# KiCad board DAB.kicad_pcb (continued)
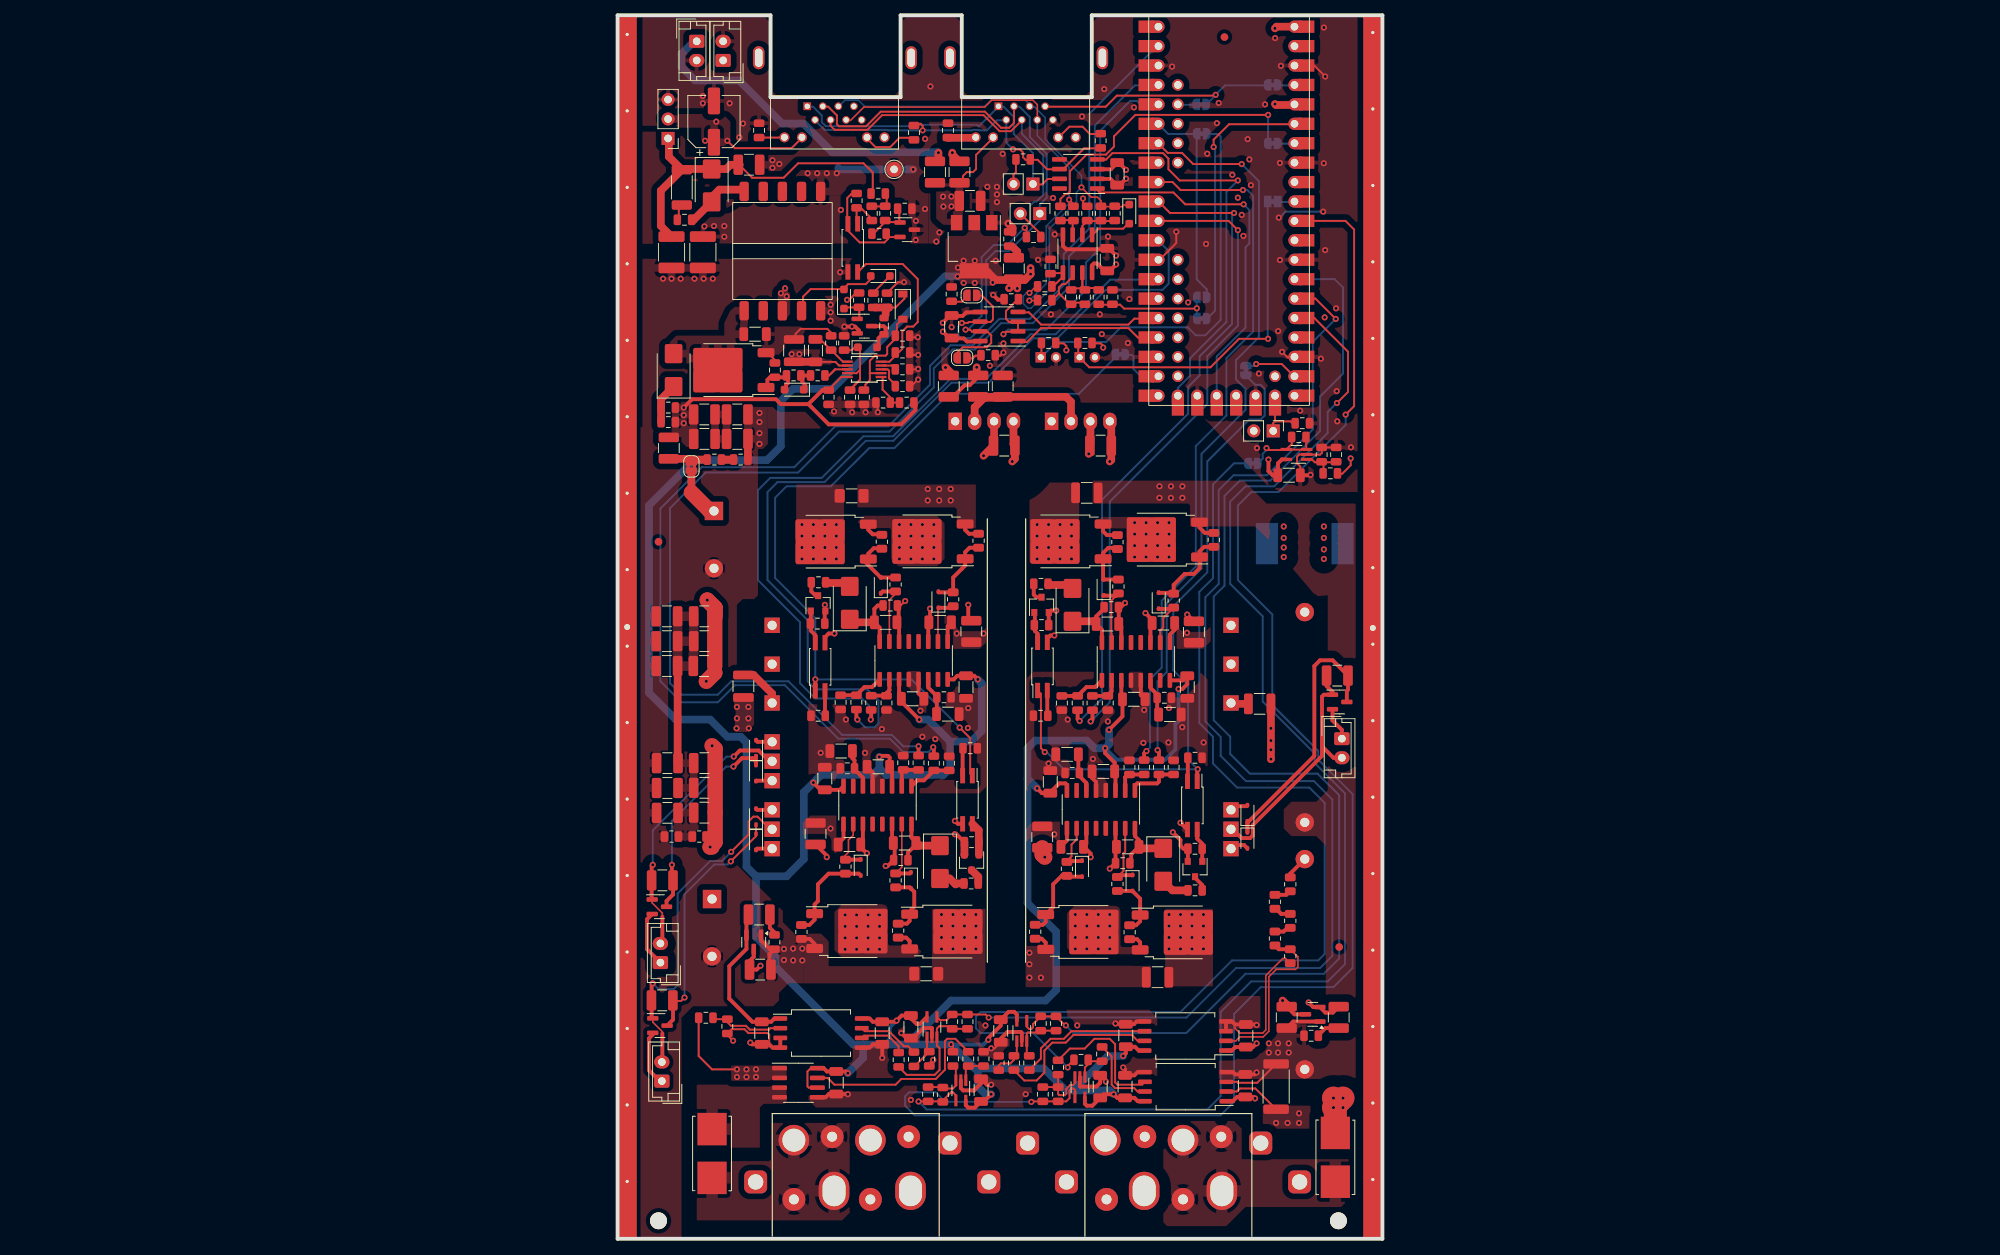
[diagram p0: board, top side]
## Nets (continued)
/Low_voltage_bridge/V_{IHigh}_{GND}_{+}: R305.2 R306.1 U302.2
/Microcontroller/A: J403.3 J404.3 JP403.1 JP408.2 U405.6
/Microcontroller/ADC2_IN5: JP411.1 U401.35
/Microcontroller/ADC3_IN12: JP405.1 U401.31
/Microcontroller/ADC4_IN5: JP406.1 JP410.1 U401.6
/Microcontroller/B: J403.4 J404.4 JP409.1 R410.2 U405.7
/Microcontroller/BOOT0: JP402.1 R421.1 U401.58
/Microcontroller/CAN_H: J403.1 J404.1 JP401.1 U402.7
/Microcontroller/CAN_L: J403.2 J404.2 R401.2 R402.2 R404.2 U402.6
/Microcontroller/DAC2: JP417.1 U401.34
/Microcontroller/FDCAN2_{RX}: U401.53 U402.4
/Microcontroller/FDCAN2_{TX}: U401.55 U402.1
/Microcontroller/HRTIM_SYNC: J403.7 J404.7 JP414.2 JP415.2
/Microcontroller/PB1_HRTIM_SCOUT: JP414.1 U401.37
/Microcontroller/PB2_HRTIM_SCIN: JP415.1 U401.42
/Microcontroller/PC12: JP413.2 U401.19
/Microcontroller/PC13: JP412.2 U401.22
/Microcontroller/SHARE+: C412.2 D403.1 J403.5 J404.5 R416.2 R419.2
/Microcontroller/SHARE-: J403.6 J404.6 R417.2 R418.2
/Microcontroller/Temp: JP406.2 R406.1 TH401.1
/Microcontroller/Temp2: JP405.2 R407.1 TH402.1
/Microcontroller/USART3_DE: R412.1 U401.5 U405.2 U405.3
/Microcontroller/USART3_RX: U401.17 U405.1
/Microcontroller/USART3_TX: U401.16 U405.4
/PWM_H1: R201.1 U401.12
/PWM_H2: R701.1 U401.2
/PWM_H3: R901.1 U401.10
/PWM_H4: R801.1 U401.7
/PWM_L1: R202.1 U401.14
/PWM_L2: R702.1 U401.4
/PWM_L3: R902.1 U401.11
/PWM_L4: R802.1 U401.9
/V_{IBus}: C1.1 C2.1 C304.1 C306.1 C308.1 C310.1 C312.1 C314.1 C317.1 C318.1 JP5001.1 Q301.2 Q303.2 R305.1 Rb301.1 U301.1 U301.2
/V_{IHighmeasured}: C305.2 R304.2 U303.4 U401.26
/V_{IIHighmeasured}: C506.2 R507.2 U401.27 U504.4
/~{STBY1}: JP413.1 U201.1 U701.1
/~{STBY2}: JP412.1 U801.1 U901.1
Earth_Protective: J403.SH J404.SH N101.1
Vref_{DGND}: JP5002.2 R506.1
Net-(C101-Pad2): C101.2 T101.3
Net-(C102-Pad1): C102.1 T101.12
Net-(C306-Pad2): C306.2 C307.1 C308.2 C309.1 C310.2 C311.1 C312.2 C313.1 C314.2 C315.1 C318.2 C319.1 Rb301.2 Rb302.1
Net-(C411-Pad1): C411.1 R408.2 R415.1 U406.7
Net-(C1001-Pad2): C1001.2 R1001.2
Net-(C5002-Pad2): C5002.2 C5003.1
Net-(C5005-Pad2): C5005.2 C5006.1 C5008.2 C5009.1
Net-(C5014-Pad2): C5014.2 R5006.2
Net-(C5018-Pad2): C5018.2 R5011.2
Net-(C5026-Pad2): C5026.2 R5017.1
Net-(D201-A): D201.2 R206.2
Net-(D201-K): C206.1 C207.1 D201.1 U202.16
Net-(D301-A): D301.2 Q301.1 RGH301.2 RpdH301.2
Net-(D302-A): D302.2 Q302.1 RGL301.2 RpdL301.2
Net-(D303-A): D303.2 Q304.1 RGL302.2 RpdL302.2
Net-(D304-A): D304.2 Q303.1 RGH302.2 RpdH302.2
Net-(D403-A): D403.2 U406.1
Net-(D501-A): D501.2 Q501.1 RGH501.2 RpdH501.2
Net-(D502-A): D502.2 Q502.1 RGL501.2 RpdL501.2
Net-(D503-A): D503.2 Q503.1 RGH502.2 RpdH502.2
Net-(D504-A): D504.2 Q504.1 RGL502.2 RpdL502.2
Net-(D601-K): C601.1 D601.1 D602.1 U601.3
Net-(D603-K): C602.1 D603.1 D604.1 U602.3
Net-(D605-K): C603.1 D605.1 D606.1 U603.3
Net-(D701-A): D701.2 R706.2
Net-(D701-K): C706.1 C707.1 D701.1 U702.16
Net-(D801-A): D801.2 R806.2
Net-(D801-K): C806.1 C807.1 D801.1 U802.16
Net-(D901-A): D901.2 R906.2
Net-(D901-K): C906.1 C907.1 D901.1 U902.16
Net-(D5001-A): C5010.1 D5001.2 NTC5001.1 U5003.2
Net-(D5002-A): D5002.2 L5002.1 Q5001.3
Net-(D5003-A): D5003.2 Q5002.1 R5010.2 R5012.2
Net-(D5003-K): D5003.1 R5008.2 R5010.1
Net-(D5004-A): C5022.1 D5004.2 Q5002.2 T5001.5
Net-(D5004-K): C5021.2 D5004.1 R5013.2
Net-(D5005-A): D5005.2 D5006.2 T5001.2
Net-(D5005-K): D5005.1 R5015.2
Net-(D5006-K): D5006.1 Q5001.1 R5016.1
Net-(D5007-A): C5026.1 D5007.2 T5001.6
Net-(J101A-Pin_1): F101.2 J101.2 J101.3
Net-(J101E-Pin_1): F102.1 J101.12 J101.13
Net-(J403-Pad9): J403.9 R403.2
Net-(J403-Pad11): J403.11 R402.1
Net-(J404-Pad9): J404.9 R405.1
Net-(J404-Pad11): J404.11 R404.1
Net-(JP401-B): JP401.2 R401.1
Net-(JP403-B): JP403.2 R410.1
Net-(JP408-A): JP408.1 R409.2
Net-(JP409-B): JP409.2 R411.1
Net-(JP410-B): C402.1 JP410.2 JP411.2 R408.1
Net-(JP417-B): JP417.2 R413.1
Net-(JP5001-B): C5002.1 JP5001.2 L5001.1
Net-(JP5002-A): C5007.1 C5007.2 JP5002.1 U5001.3 U5001.4
Net-(L101-Pad1): L101.1 T101.10
Net-(PS1001-+Vin): C5027.1 L5003.2 PS1001.2 PS5001.2
Net-(Q201-D): Q201.3 R206.1
Net-(Q201-G): Q201.1 R205.1 U201.4
Net-(Q701-D): Q701.3 R706.1
Net-(Q701-G): Q701.1 R705.1 U701.4
Net-(Q801-D): Q801.3 R806.1
Net-(Q801-G): Q801.1 R805.1 U801.4
Net-(Q901-D): Q901.3 R906.1
Net-(Q901-G): Q901.1 R905.1 U901.4
Net-(Q5002-S): C5022.2 Q5002.3 R5009.2 R5012.1 R5014.1
Net-(R204-Pad1): R204.1 U201.2
Net-(R704-Pad1): R704.1 U701.2
Net-(R804-Pad1): R804.1 U801.2
Net-(R904-Pad1): R904.1 U901.2
Net-(R5018-Pad1): R5018.1 R5020.2 R5021.1
Net-(R5018-Pad2): R5018.2 R5019.2 U5005.1
Net-(Rv501-Pad2): Rv501.2 Rv502.1
Net-(Rv502-Pad2): Rv502.2 Rv503.1
Net-(Rv503-Pad2): Rv503.2 Rv504.1
Net-(U202-DT): C205.1 R203.2 U202.6
Net-(U202-INA): C203.2 R201.2 U202.1
Net-(U202-INB): C204.1 R202.2 U202.2
Net-(U302-VOUTN): R302.1 U302.6
Net-(U302-VOUTP): R301.1 U302.7
Net-(U303-+): R301.2 R303.2 U303.1
Net-(U303--): C305.1 R302.2 R304.1 U303.3
Net-(U304-+): R307.2 R309.1 U304.1
Net-(U304--): C322.1 R308.2 R310.1 U304.3
Net-(U406A-+): R413.2 R417.1 U406.3
Net-(U406A--): C412.1 R414.2 R416.1 U406.2
Net-(U406B-+): R419.1 R420.2 U406.5
Net-(U406B--): C411.2 R415.2 R418.1 U406.6
Net-(U501-VOUTN): R503.1 U501.6
Net-(U501-VOUTP): R502.1 U501.7
Net-(U502-VOUTN): R504.1 U502.6
Net-(U502-VOUTP): R501.1 U502.7
Net-(U503-+): R502.2 R506.2 U503.1
Net-(U503--): C507.1 R503.2 R508.1 U503.3
Net-(U504-+): R501.2 R505.2 U504.1
Net-(U504--): C506.1 R504.2 R507.1 U504.3
Net-(U702-DT): C705.1 R703.2 U702.6
Net-(U702-INA): C703.2 R701.2 U702.1
Net-(U702-INB): C704.1 R702.2 U702.2
Net-(U802-DT): C805.1 R803.2 U802.6
Net-(U802-INA): C803.2 R801.2 U802.1
Net-(U802-INB): C804.1 R802.2 U802.2
Net-(U902-DT): C905.1 R903.2 U902.6
Net-(U902-INA): C903.2 R901.2 U902.1
Net-(U902-INB): C904.1 R902.2 U902.2
Net-(U5001-+): C5001.2 R5001.2 R5002.1 U5001.1
Net-(U5003-COMP): C5013.1 U5003.5 U5005.4
Net-(U5003-CS): C5016.1 R5009.1 U5003.6
Net-(U5003-DRV): R5008.1 U5003.8
Net-(U5003-RT): R5005.1 U5003.4
Net-(U5003-SS): C5011.1 U5003.3
Net-(U5003-UVLO): R5003.2 R5004.2 U5003.1
Net-(U5003-VIN): C5005.1 C5008.1 C5015.1 C5021.1 L5001.2 R5003.1 R5013.1 T5001.3 U5003.10
Net-(U5006-K): C5030.1 R5019.1 U5005.2 U5006.2
Net-(U5006-REF): C5030.2 R5021.2 R5022.1 U5006.1

Pads without a net: J101 1 6 7 8 9 14 15; T101 2 11; T5001 4 7 8 9; U202 7 12 13; U401 1 15 20 21 24 29 32 39 41 43 44 45 46 47 48 49 50 51 52 56 59; U402 5 8; U702 7 12 13; U802 7 12 13; U902 7 12 13

## Via types
v1: diameter 0.8, hole 0.4, Top to Bottom, 483 vias

## Routing (per net, layer and track width the routed paths; a pad name or vN(x,y) marks a point on that pad's centre or on a via; arc(x,y) is an arc through that point)
+3.3V_{DGND}: length 13.1
  Top w0.25: 88.15,148.35 85.99,148.35 v1(85.95,148.39) ; v1(63.49,116.54) 63.49,116.77 63.17,117.09 61.7,117.09 ; v1(58.68,116.19) 58.68,116.75 58.33,117.09 57.77,117.09
  Top w0.5: 65.58,140.68 v1(66.48,139.78) ; 62.55,139.86 64.5,139.86 65.32,140.68
  Top w1: 88.65,148.27 86.07,148.27 v1(85.95,148.39)
+5V_{DGND}: length 482.7
  Top w0.25: v1(43.6,25.4) 43.85,25.15 R308.1 ; 94.17,100.04 94.74,100.04 95.85,101.15 v1(95.85,102.05) ; U301.8 25.26,22.31 24.83,21.88 24.83,19.93 24.98,19.77 U301.6
  Top w0.5: U501.8 68.02,17.99 67.57,18.43 C503.1 65.32,18.43 v1(64.85,18.9) 63.57,18.9 C505.1 62.07,17.4 61.35,17.4 61.1,17.65 U503.5 ; v1(66.1,23.9) 66.45,24.25 C504.2 67.64,25.11 68.14,24.61 U502.8 ; v1(25.6,59.65) 26.54,58.71 C702.1 29.06,58.71 U702.8 ; C5004.1 85.65,99.85 85.1,100.4 v1(85.1,101.9) ; 43.75,109.99 45.38,111.62 46.02,111.62 47.3,112.89 ; U504.5 52.2,29.33 51.85,29.68 51.13,29.68 C508.1 50.1,27.88 48.48,26.25 v1(48.48,26.03) ; U902.8 73.89,73.03 C902.1 74.49,72.54 73.85,71.9 v1(73.35,71.9) ; U304.5 45.53,17.47 45.85,17.15 46.72,17.15 C323.1 47.91,17.96 v1(48.85,18.9) ; v1(39.45,67.9) 37.1,70.25 C201.1 37.1,71.2 36.81,71.49 U202.3 ; U202.8 43.95,73.15 44.43,73.62 C202.1 46.63,73.62 v1(47.1,73.15) ; v1(64.25,66.55) 66.01,68.31 C901.1 65.86,70.7 U902.3 ; 38.35,28.84 39.1,28.09 39.53,28.09 U303.5 ; 38.35,28.75 37.91,29.19 37.14,29.19 v1(36.48,28.53) 36.32,28.38 C302.2 33.38,28.38 32.95,28.81 U302.8 ; 56.65,58.04 56.65,58.44 57.75,59.55 58.55,59.55 58.75,59.35 U802.8 ; 86.34,99.84 86.34,101.41 86.85,101.92 87.47,101.92 ; 43.68,117.74 45.27,117.74 45.67,117.34 47.4,117.34 ; v1(65.19,127.42) 64.28,126.52 63.73,126.52 62.7,127.54 62.27,127.54 62.04,127.31 62.04,126.28 ; U301.8 26.95,22.31 27.38,21.88 C303.2 29.88,21.88 v1(30.1,21.65) ; U702.3 35.89,61.4 C701.1 35.57,62.93 35.35,63.15 34.35,63.15 v1(34.23,63.03) ; 56.65,58.28 55.48,58.28 v1(54.85,58.9) ; U802.3 65.1,61.01 C801.1 64.99,62.26 63.75,63.5 v1(63.75,64.15) ; 43.43,117.74 v1(42.53,118.63)
  Top w1: 52.26,125.38 53.23,125.38 v1(54,126.15) v1(54,126.95) ; 52.26,125.38 v1(52.26,124.28) ; 52.26,125.38 v1(51.2,124.32) ; 52.26,125.38 49.44,125.38 48.35,126.48 47.08,126.48 ; 88.15,158.51 86.17,158.51 v1(85.95,158.29) ; 46.95,112.79 v1(46.95,113.97)
  Bottom w0.5: v1(43.6,25.4) 47.85,25.4 v1(48.48,26.03) ; 34.85,25.4 35.6,26.15 35.6,27.65 v1(36.48,28.53) ; v1(73.35,71.9) 73.35,67.7 72.93,67.27 72.93,63.98 71.6,62.65 65.25,62.65 v1(63.75,64.15)
  Bottom w1: v1(48.85,18.9) 48.1,18.9 47.1,19.9 47.1,21.9 46.73,22.28 ; 46.73,22.28 55.73,22.28 58.6,19.4 ; 46.73,22.28 v1(43.6,25.4) 32.1,25.4 ; 32.1,25.4 32.1,23.65 v1(30.1,21.65) ; 32.1,25.4 30.81,25.4 20.65,35.56 20.65,36.91 18.1,39.46 18.1,47.4 ; 58.6,19.4 59.6,19.4 64.1,23.9 v1(66.1,23.9) ; 58.6,19.4 64.35,19.4 v1(64.85,18.9) ; 34.23,61.53 35.1,60.65 42.6,60.65 43.48,61.53 43.48,65.03 ; 34.23,61.53 v1(34.23,63.03) ; 34.23,61.53 33.35,60.65 26.6,60.65 24.35,58.4 24.35,49.65 22.1,47.4 18.1,47.4 ; v1(54.85,58.9) 53.6,60.15 ; 53.6,60.15 53.6,64.15 54.6,65.15 61.35,65.15 62.35,64.15 v1(63.75,64.15) 64.25,64.65 v1(64.25,66.55) ; 53.6,60.15 53.6,43.9 57.35,40.15 57.35,32.55 55.95,31.15 43.6,31.15 37.85,25.4 ; 43.48,65.03 46.23,65.03 47.6,66.4 47.6,72.65 v1(47.1,73.15) ; 43.48,65.03 40.6,67.9 v1(39.45,67.9) ; 18.1,47.4 16.85,48.65 16.85,64.9 16.1,65.65 14.35,65.65 12.1,67.9 7.6,67.9 4.1,71.4 4.1,95.9 10.03,101.83 19.53,101.83 21.35,103.65 21.35,109.55 22.95,111.15 28.1,111.15 42.8,125.85 v1(44.45,125.85)
  vias: v1(44.5,127) v1(45.25,127.9) v1(45.25,125) v1(46.7,127.9) v1(46.7,125) v1(49.05,125.05) v1(49.45,127.9)
+5V_{IGND}: length 20.1
  Top w0.5: C1001.1 16.85,42.14 U1001.2 16.85,37.9 14.6,35.65 14.6,31.4 17.62,28.38 C301.2 20.08,28.38 20.51,28.81 U302.1
+5V_{IIGND}: length 31.1
  Top w0.5: v1(83.35,18.35) 83.16,18.55 C501.1 81,18.55 80.44,17.99 U501.1 ; U502.1 80.31,24.61 80.78,25.08 C502.2 83.07,25.08 v1(83.55,25.55) ; v1(90.35,30.9) 90.95,30.3 U5004.2 92.55,29.58 93.51,29.58 C5018.1
  In3.Cu w0.5: v1(90.35,30.9) 86.6,27.15 85.15,27.15 v1(83.55,25.55) 83.5,25.55 81.85,23.9 81.85,19.4 82.9,18.35 v1(83.35,18.35)
+6V_{DGND}: length 18.8
  Top w0.25: v1(14.35,143.59) 15.32,142.62 22.74,142.62 24.1,143.98 ; 49.1,143.98 46.87,141.75 46.87,139.88 46.48,139.49 45.66,139.49 45.15,138.98 45.15,137.99
  vias: v1(11.45,143.59) v1(12.9,146.09) v1(42.55,136.29) v1(42.6,134.99) v1(43.65,136.3) v1(43.65,135)
+12V_{IGND}: length 179.3
  Top w0.5: C1002.1 17.25,36.32 17.8,36.87 U1001.3 ; C1002.1 18.18,35.2 v1(18.68,35.7) ; C1002.1 17,34.95 ; U202.11 40.62,80.53 C208.1 40.85,80.76 v1(40.85,82.4) ; v1(27.35,49.9) 27.35,50.1 C709.1 ; R705.2 44.31,52.9 v1(44.1,52.9) ; C708.1 31.79,51.21 v1(32.6,50.4) ; C209.1 45.85,81.23 v1(45.85,82.9) ; Q201.2 27.09,82.03 R205.2 ; 31.66,51.55 32.08,51.97 U702.11
  Top w1: v1(51.6,101.65) 51.95,102 C1003.1 51.76,103.91 PS1001.4 ; R705.2 45.35,50.22 Q701.2
  In3.Cu w0.5: v1(18.68,35.7) 18.98,35.4 36.1,35.4 38.1,37.4 38.1,49.15 35.85,51.4 35.85,54.9
  In3.Cu w1: 47.35,98.9 46.35,99.9 34.6,99.9 31.6,96.9 31.6,87.4 v1(27.1,82.9)
  In3.Cu w2: v1(51.6,101.65) 50.1,101.65 47.35,98.9 47.35,84.4 v1(45.85,82.9) 41.35,82.9 v1(40.85,82.4) 36.95,78.5 36.95,57 35.35,55.4 ; 35.35,55.4 32.6,52.65 v1(32.6,50.4) 27.85,50.4 v1(27.35,49.9) ; 35.35,55.4 37.85,52.9 v1(44.1,52.9) ; 35.35,55.4 35.85,54.9
+12V_{IIGND}: length 169.1
  Top w0.5: 69.85,80.15 69.85,81 v1(69.03,81.82) ; R905.2 56.37,81.89 Q901.2 56.63,82.15 v1(57.35,82.15) ; U902.11 69.67,80.31 C908.1 ; U802.11 61.29,51.68 60.91,51.31 61.85,50.37 v1(61.85,49.9) ; C5020.1 88.49,29.35 U5004.3 ; Q801.2 74.56,49.36 R805.2 74,51 73.6,51.4 73.6,52.15 v1(72.6,53.15) ; v1(74.48,81.63) C909.1
  Top w1: v1(64.35,101.65) 64.55,101.85 C5023.1 64.55,106.72 PS5001.4 ; v1(86.95,31.15) 87.49,30.61 C5020.1
  Top w2: C809.1 55.52,50.22 v1(55.85,49.9)
  In3.Cu w1: 66.1,63.65 66.1,64.65 66.85,65.4 66.85,68.15 66.27,68.73
  In3.Cu w2: 66.1,55.55 66.75,55.55 69.4,52.9 72.35,52.9 v1(72.6,53.15) ; v1(61.85,49.9) 62.35,49.9 64.35,51.9 64.35,53.95 66.1,55.7 66.1,63.65 ; v1(61.85,49.9) v1(55.85,49.9) ; v1(61.85,49.9) 59.68,49.9 56.6,46.83 56.6,35.4 57.6,34.4 83.7,34.4 v1(86.95,31.15) ; 62.15,80.75 68.7,80.75 69.03,81.08 v1(69.03,81.82) 69.6,82.4 73.7,82.4 v1(74.48,81.63) ; v1(64.35,101.65) 62.15,99.45 62.15,76.85 66.27,72.73 66.27,68.73 ; v1(57.35,82.15) 57.85,81.65 59.65,81.65 62.15,84.15
/Feeder/5V_{HV}: length 4.4
  Top w0.5: U603.2 93.47,67.78 94.7,66.55 J105.1
/Feeder/5V_{IILV}: length 7.3
  Top w0.5: 5.79,20.35 4.1,22.04 4.1,26.2 4.6,26.7
/Feeder/5V_{ILV}: length 7.4
  Top w0.5: U601.2 3.85,41.79 3.85,37.87 J103.1
/Flyback/+6VJP: length 45.3
  Top w0.25: 33.36,136.68 33.36,139.43 32.15,140.64 23.6,140.64 21.71,138.75 17.6,138.75 15.9,140.45
  Top w1: D5007.1 8.49,139.9 R5017.2 ; C5025.2 5.65,132.46 5.65,137.06 R5017.2 ; 6.7,144.1 6.7,141.51 R5017.2 ; 12.5,139.89 14.2,139.89 14.76,140.45 15.98,140.45
DGND: length 152.4
  Top w0.25: 89.91,102.54 91.85,102.54 92.08,102.78 92.08,103.48 93.82,103.48 ; v1(41.27,23.39) 40.91,23.03 40.91,22.9 ; 60.85,135.89 60.85,135.52 61.4,134.97 ; v1(50.45,115.89) 50.05,115.49 49.39,115.49 ; v1(73.05,131.69) 73.05,130.22 70.8,127.97 70.72,127.97 ; v1(48.85,24.9) 49.3,24.9 C508.2 ; 43.22,145.81 43.2,145.83 ; v1(92.52,151.99) 91.14,153.37 90.45,153.37 ; C5004.2 89.26,100.99 88.83,101.42 88.83,102.26 89.14,102.58 U5001.2 ; v1(86.88,115.98) 87.59,115.27 88.5,115.27 ; 38.75,134.79 38.66,134.7 ; 38.95,131.75 38.75,131.95
  Top w0.5: 47.4,121.15 45.59,121.15 45.13,120.69 43.68,120.69 ; 65.32,137.73 64.45,138.59 62.55,138.59 ; U303.2 41.1,27.55 39.98,27.55 38.67,26.24 ; U301.5 27.2,18.5 27.63,18.93 C303.1 30.07,18.93 v1(30.1,18.9) ; C316.2 37.76,26.24 v1(37.1,26.9) ; 89.3,99.84 89.29,99.84 ; 89.29,99.84 89.27,99.87 ; 89.29,99.84 90.54,99.84 v1(90.6,99.9) ; C201.2 39.35,71.32 U202.5 ; v1(48.85,20.15) 48.28,20.15 C323.2 47.52,20.33 46.6,19.4 45.19,19.4 44.88,19.71 U304.2 ; 65.59,137.73 v1(66.49,138.63) ; v1(66.1,22.4) 66.35,22.15 C503.2 67.57,21.38 68,21.8 U501.5 ; U502.5 67.87,28.42 67.51,28.06 C504.1 65.19,28.06 v1(65.1,28.15) ; U503.2 60.45,19.95 60.5,19.9 62.6,19.9 63.1,20.4 C505.2 63.85,20.62 v1(63.85,20.55) ; U802.5 62.56,59.74 62.04,60.26 C801.2 ; U902.5 68.4,71.11 C901.2 ; U504.2 52.85,26.93 52.73,27.05 50.97,27.05 50.1,26.18 ; 43.43,120.69 v1(42.52,119.78) ; 50.54,122.81 49.73,122.81 v1(49.11,123.43) ; 50.57,25.43 50.57,25.9 ; U702.5 33.35,60.99 C701.2 ; U302.5 32.95,25 33.38,25.43 C302.1 v1(34.6,23.65) ; 58.23,131.23 58.23,129.83 58.67,129.39 63.95,129.39 64.02,129.47 64.28,129.47 v1(65.18,128.57)
  Top w1: 43.75,113.07 v1(42.88,113.94) ; 51.65,131.58 51.65,132.18 v1(51.06,132.77)
  In1.Cu w1: 43.1,110.9 43.1,113.72 v1(42.88,113.94) ; 43.1,110.9 44.1,109.9 54.1,109.9 56.74,107.26 PS5001.1 ; 43.1,110.9 43.1,107.95 PS1001.1
  In3.Cu w0.25: v1(40.9,150.69) 45.9,145.69 49.5,145.69 50.75,144.44 50.75,143.39 50.35,142.99 v1(50.35,141.88)
  Bottom w0.25: v1(86.45,133.54) 86.55,133.54 87.33,134.32 v1(92.26,134.32) ; v1(80.38,139.13) 80.42,139.09
  Bottom w1: 28.85,140.04 29.05,139.84 v1(38.65,139.84)
  vias: v1(11.15,149.44) v1(11.15,148.49) v1(11.35,132.39) v1(12.6,132.44) v1(13.95,132.44) v1(13.95,131.04) v1(14.65,148.49) v1(15.92,144.05) v1(16.4,145.84) v1(20.25,141.04) v1(20.25,140.05) v1(21.15,140.55) v1(24.85,139.34) v1(26.1,139.34) v1(26.55,63.55) v1(27.35,139.34) v1(28.65,139.34) v1(29.2,134.55) v1(29.85,67.9) v1(32.35,63.55) v1(34.55,66.65) v1(38.35,18.15) v1(38.98,130.61) v1(39,133.12) v1(39.6,69.05) v1(39.85,65.65) v1(40.2,143.85) v1(40.2,134.67) v1(41.54,65.34) v1(41.67,130.41) v1(42.08,131.6) v1(43.68,119.21) v1(45.8,66.8) v1(45.85,69.4) v1(48.1,27.9) v1(48.35,137.57) v1(48.68,114.18) v1(49.6,137.57) v1(49.6,136.57) v1(49.6,135.57) v1(50.45,117.09) v1(53.35,18.9) v1(54.98,128.02) v1(56.35,62.15) v1(56.66,120.88) v1(56.94,136.11) v1(57.15,131.35) v1(58.85,67.9) v1(60.1,27.9) v1(60.72,146.76) v1(60.85,136.04) v1(62.15,62.75) v1(63.05,120.89) v1(63.31,118.3) v1(63.63,150.34) v1(64.13,131.06) v1(64.1,67.65) v1(66.72,117.14) v1(66.92,122.89) v1(67.52,147.95) v1(68.75,64.85) v1(68.85,69.15) v1(72.03,64.9) v1(72.1,69.4) v1(72.5,153.29) v1(73.82,66.9) v1(74.6,122.45) v1(76.62,64.9) v1(76.94,130.1) v1(77.1,141.9) v1(78.35,145.89) v1(78.6,148.54) v1(81.1,136.15) v1(81.6,133.9) v1(81.82,131.15) v1(82.38,143.8) v1(82.6,141.15) v1(82.8,137.78) v1(83.6,103.4) v1(83.85,113.15) v1(84.66,148.34) v1(85.97,157.02) v1(86.38,118.69) v1(86.6,140.69) v1(86.6,127.99) v1(86.72,153.39) v1(89.25,108.29) v1(91.95,115.09) v1(92.35,158.4) v1(92.34,140.65) v1(92.45,120.49) v1(92.51,129.29) v1(93.94,121.67) v1(94.02,110.84) v1(94.1,106.9) v1(95.88,103.49)
GND: length 66.4
  Top w0.25: 30.25,114.19 28.96,114.19 28.49,114.67 26.07,114.67 ; v1(37.45,125.09) 36.65,125.09 35.6,124.04 35.6,123.63 ; 38.39,117.89 v1(39.25,117.89) ; 34,109.23 34,108.2 ; R5005.2 39.25,113.7 v1(39.3,113.75) ; v1(30,122.79) 30.27,122.79 31.16,123.68 31.77,123.68 ; 14.35,26.65 v1(15.1,25.9) ; 38.39,115.89 38.7,115.58 v1(39.3,115.58) ; 38.39,111.49 39.25,112.36 v1(39.31,112.36) ; 19.83,25.43 19.83,26.68 19.6,26.9 17.1,26.9 16.6,27.4 14.91,27.4 R306.2
  Top w0.5: RpdL302.1 25.13,39.21 25.76,38.58 ; RpdL301.1 45.95,92.2 45.44,92.71 Q302.3 ; U201.3 27.12,78.67 27.6,79.15 v1(28.35,79.15) ; 45.12,54.27 44.49,54.27 v1(44.1,54.65) ; 28.71,51.55 29.54,52.38 U702.9 ; 31.53,118.39 31.53,118.81 31.05,119.29 v1(30.65,119.29) v1(29.65,119.29) ; C1002.2 19.85,35.4 19.85,37.2 R1001.1 19.91,37.86 18.75,39.02 U1001.1 ; U202.9 43.16,80.12 C208.2 ; v1(17.35,25.65) 17.58,25.43 C301.1 19.83,25.43 20.26,25 U302.4 U302.3
  Top w1: C5016.2 25.86,114.69 R5014.2 ; v1(47.85,102.4) 49.15,103.7 C1003.2 49.22,103.8 PS1001.3 ; C5003.2 17.04,104.59 C5006.2
  In1.Cu w2: v1(47.85,102.4) 47.35,101.9 47.35,97.4
  vias: v1(5.95,125.55) v1(7.05,125.55) v1(8.25,125.55) v1(10.05,125.55) v1(11.25,125.55) v1(12.45,125.55) v1(18.55,108) v1(18.55,106.8) v1(18.55,105.35) v1(18.55,103.95) v1(21.75,37.9) v1(21.75,36.45) v1(22.75,115.68) v1(22.95,37.95) v1(22.95,36.4) v1(23.77,115.68) v1(24.15,37.95) v1(24.15,36.4) v1(27.85,122.15) v1(27.85,121.15) v1(27.85,120.05) v1(27.85,53.65) v1(28.3,108.19) v1(29.1,126.39) v1(30.67,108.08) v1(32.42,108.08) v1(34.02,108.09) v1(40.55,98.05) v1(40.55,96.55) v1(42.05,98.05) v1(42.05,96.55) v1(43.55,98.05) v1(43.55,96.55) v1(44.35,79.15) v1(47.85,79.15)
GNDREF: length 62.7
  Top w0.2: 80.72,28.03 80.72,27.53 81.35,26.9 84.35,26.9 84.75,27.3 84.75,34.43 86.97,36.65 87.34,36.65 Rv505.2
  Top w0.25: R514.2 83.64,20.4 81.1,20.4 80.97,20.53 U501.3
  Top w0.5: C5020.2 88.34,28.4 U5004.1 ; v1(57.1,78.9) 56.6,78.9 56.18,78.48 U901.3 ; v1(73.6,54.4) 74.48,53.52 U801.3 ; RpdL502.1 76.79,92.31 76.08,93.02 Q504.3 ; C908.2 72.84,79.64 72.21,79.01 U902.9 ; Q502.3 55.98,38.72 55.46,39.24 RpdL501.1 ; U802.9 58.75,52.09 57.96,51.31 ; v1(83.55,21.75) 83.29,21.5 C501.2 80.75,21.5 80.46,21.8 U501.4 ; v1(83.55,27.95) 83.47,28.03 C502.1 80.72,28.03 80.33,28.42 U502.4 U502.3
  Top w1: v1(61.6,102.65) 61.75,102.8 C5023.2 61.82,103.8 PS5001.3
  In1.Cu w2: v1(61.6,102.65) 61.6,100.9 63.1,99.4 63.1,96.9
  vias: v1(53.85,37.4) v1(53.85,35.9) v1(53.85,34.15) v1(55.35,34.15) v1(57.1,52.9) v1(70.85,98.4) v1(70.85,96.9) v1(72.35,98.4) v1(72.35,96.9) v1(73.85,98.4) v1(73.85,96.9) v1(74.45,79.25) v1(85.15,25.55) v1(85.15,24.35) v1(86.35,25.55) v1(86.35,24.35) v1(87.75,25.55) v1(87.75,24.35)
/Aux_{HV1}: length 2.2
  Top w0.5: D605.2 82.22,56.57 80.21,56.57
/Aux_{HV2}: length 2.3
  Top w0.5: D606.2 81.91,51.49 80.21,51.49
/Aux_{HVCT}: length 32.9
  Top w0.5: 92.1,64.4 93.6,62.9 J105.2 ; 92.1,64.4 92.1,63.15 83.05,54.1 83.05,52.76 82.69,52.4 81.6,52.4 80.45,53.55 T101.17 ; 92.1,64.4 92.1,70.9 92.35,71.15 U603.1 93.47,71.53 92.7,72.3 C603.2
/Aux_{IILV1}: length 2.2
  Top w0.5: D603.2 18.25,56.09 T101.7
/Aux_{IILV2}: length 2.2
  Top w0.5: T101.9 18.26,51.01 D604.2
/Aux_{IILVCT}: length 45.2
  Top w0.2: 4.6,28.83 4.6,28.33 5.85,27.08 5.85,26.85
  Top w0.25: v1(14.85,50.6) 17.15,52.9 17.15,54.6 17.75,55.2 18.3,55.2 19.95,53.55 T101.8
  Top w0.5: 5.85,26.85 5.85,22.91 5.79,22.85 ; 4.6,28.83 4.45,28.98 4.45,33.25 v1(4.6,33.4)
  Bottom w0.25: v1(4.6,33.4) 5.35,32.65 7.35,32.65 7.85,33.15 7.85,45.15 12.1,49.4 13.65,49.4 v1(14.85,50.6)
/Aux_{ILV1}: length 2.2
  Top w0.5: D601.2 18.32,64.98 T101.4
/Aux_{ILV2}: length 2.1
  Top w0.5: T101.6 18.15,59.9 D602.2
/Aux_{ILVCT}: length 35.9
  Top w0.2: U601.1 4.52,43.92 5.85,42.59 5.85,42.12
  Top w0.5: T101.5 19.85,62.44 18.45,63.85 15.98,63.85 v1(15.19,63.06) ; v1(4.6,48.9) 4.45,48.75 C601.2 4.45,44.44 ; J103.2 5.85,38.87 5.85,42.12
  Bottom w0.25: v1(4.6,48.9) 4.6,53.4 14.26,63.06 v1(15.19,63.06)
/Flyback/PWR_COM1: length 44.3
  Top w1: v1(41.95,142.03) 41.95,140.79
  Bottom w1: v1(41.95,142.03) 41.89,142.09 28.06,142.09 24.32,145.83 21.53,145.83 15.87,151.49 10.12,151.49 8.35,153.26 8.35,154.94 9.9,156.49 10.79,156.49
/Flyback/PWR_COM2: length 41
  Top w1: v1(43.77,142.03) 43.77,141.77 44.74,140.79 45.1,140.79
  In2.Cu w1: v1(43.77,142.03) 42.58,140.84 41.57,140.84 40.27,142.14 20.25,142.14 19.4,142.99 19.4,146.59 14.3,151.69 14.3,154.09
/Flyback/VAUX: length 6
  Top w0.25: 37.5,123.54 37.5,122.94 36.34,121.78 35.44,121.78
  Top w1: 33.64,121.78 35.44,121.78 35.05,121.39 35.05,120.85
/Flyback/VBoost: length 11.6
  Top w0.25: 29.7,116.2 29.7,116.21 30.62,116.21 30.99,116.57 31.62,116.57 31.7,116.49 31.7,113.65 ; 30.65,110.98 30.65,111.29 31.7,112.34 31.7,112.35 ; 31.7,113.65 31.24,113.19 30.25,113.19 ; 31.7,113.65 31.7,112.35 ; 31.7,112.35 30.6,111.25 30.6,110.98
/High_voltage_bridge/Driver2/PWM_H: length 8.9
  Top w0.25: RGH501.1 66.15,48.11 66.15,50.42 66.37,50.64 U802.15
  Top w0.5: RGH501.1 65.59,47.55 67.35,47.55
/High_voltage_bridge/Driver2/PWM_L: length 6.8
  Top w0.25: U802.10 60.02,52.22 59.35,51.55 59.35,50.01 58.73,49.39
  Top w0.5: D502.1 60.66,49.39 58.73,49.39
/High_voltage_bridge/Driver3/PWM_H: length 8.9
  Top w0.25: U902.15 64.59,79.11 64.55,79.15 64.55,83.46 RGH502.1
  Top w0.5: RGH502.1 65.19,84.1 63.48,84.1
/High_voltage_bridge/Driver3/PWM_L: length 7.4
  Top w0.25: RGL502.1 71.35,81.19 71.35,79.95 70.94,79.54 U902.10
  Top w0.5: RGL502.1 72.53,82.37 70.71,82.37
/High_voltage_bridge/I_{IIHigh_P}: length 7.8
  Top w0.25: 79.6,19.25 80.96,19.25 81.1,19.4 81.13,19.4 81.38,19.65 83.39,19.65 R514.1
  vias: v1(86.1,15.15) v1(87.6,15.15) v1(89.1,16.4) v1(89.1,15.15)
/High_voltage_bridge/SW_Node3: length 25.4
  Top w0.5: C907.2 65.79,82.59 v1(66.35,83.15) ; Q503.3 63.48,92.52 63.98,92.02 RpdH502.1 ; U902.14 65.86,80.06 C906.2 65.53,82.46 65.66,82.59
  In1.Cu w0.5: v1(66.35,83.15) 65.6,83.9 65.6,85.65 65.1,86.15 63.85,86.15 63.35,86.65 63.35,93.15 63.6,93.4 67.35,93.4 v1(67.6,93.65)
  vias: v1(67.6,92.15) v1(67.6,90.65) v1(67.6,89.15) v1(69.1,93.65) v1(69.1,92.15) v1(69.1,90.65) v1(69.1,89.15) v1(70.6,93.65) v1(70.6,92.15) v1(70.6,90.65) v1(70.6,89.15) v1(72.1,93.65) v1(72.1,92.15) v1(72.1,90.65) v1(72.1,89.15) v1(87.1,93.15) v1(87.1,91.65) v1(87.1,90.4) v1(87.1,89.15)
/High_voltage_bridge/SW_Node4: length 79.1
  Top w0.5: Q501.3 68.32,38.78 67.93,39.17 RpdH501.1 ; U802.14 65.1,51.45 65.25,51.31 65.11,51.17 C807.2 65.06,49.11 v1(64.35,48.4)
  Top w1: 85.43,69.95 85.43,62.72 v1(85.42,62.72)
  In1.Cu w0.5: v1(64.35,48.4) 65.1,47.65 65.1,46.15 65.85,45.4 67.1,45.4 68.35,44.15 68.35,41.9 67.35,40.9 v1(64.35,40.9)
  In3.Cu w1: v1(85.42,62.72) 85.43,62.72 v1(85.43,63.95) v1(85.43,65.15) v1(85.43,66.75) 85.43,66.35
  In3.Cu w2: 85.43,66.35 85.43,49.62 80.95,45.15 68.6,45.15 v1(64.35,40.9) v1(59.85,40.9)
  vias: v1(59.85,42.4) v1(59.85,39.4) v1(59.85,37.9) v1(61.35,42.4) v1(61.35,40.9) v1(61.35,39.4) v1(61.35,37.9) v1(62.85,42.4) v1(62.85,40.9) v1(62.85,39.4) v1(62.85,37.9) v1(64.35,42.4) v1(64.35,39.4) v1(64.35,37.9)
/High_voltage_bridge/V_{IIHigh+}: length 22.5
  Top w0.2: U502.2 80.83,25.88 81.35,26.4 84.42,26.4 85.15,27.13 85.15,34.26 86.12,35.22 88.63,35.22 88.95,35.54 88.95,36.86 Rv505.1
  Top w0.5: Rv505.1 86.44,37.86 Rv504.2
/High_voltage_bridge/V_{IIHigh}: length 158.7
  Top w0.5: C512.1 87.95,47.75 Rv501.1
  Top w3: v1(93.6,17.15) v1(94.85,18.4) ; F102.2 93.85,18.15 v1(93.6,18.4)
  In2.Cu w3: C511.1 95.35,87.45 95.35,94.15 93.6,95.9 84.35,95.9 78.1,102.15 69.85,102.15 60.35,92.65 57.85,92.65
  In3.Cu w3: C511.1 89.85,60.85 93.6,57.1 93.6,52.4 90.85,49.65 C512.1 89.85,43.15 ; 89.85,43.15 89.85,41.15 94.85,36.15 v1(94.85,18.4) v1(94.85,17.15) v1(93.6,17.15) ; 89.85,43.15 87.6,40.9 72.8,40.9 72.75,40.95